# Altium PCB HexapodRobot_STC15W4K48S4.PcbDoc
Units mm, origin at the board's own origin, x right, y up, seen from the top; angles counter-clockwise.
Board outline 65.04 x 83.19 mm, 2 copper layers (Top Layer, Bottom Layer); 64 components, 84 nets, 312 pads, 98 vias.
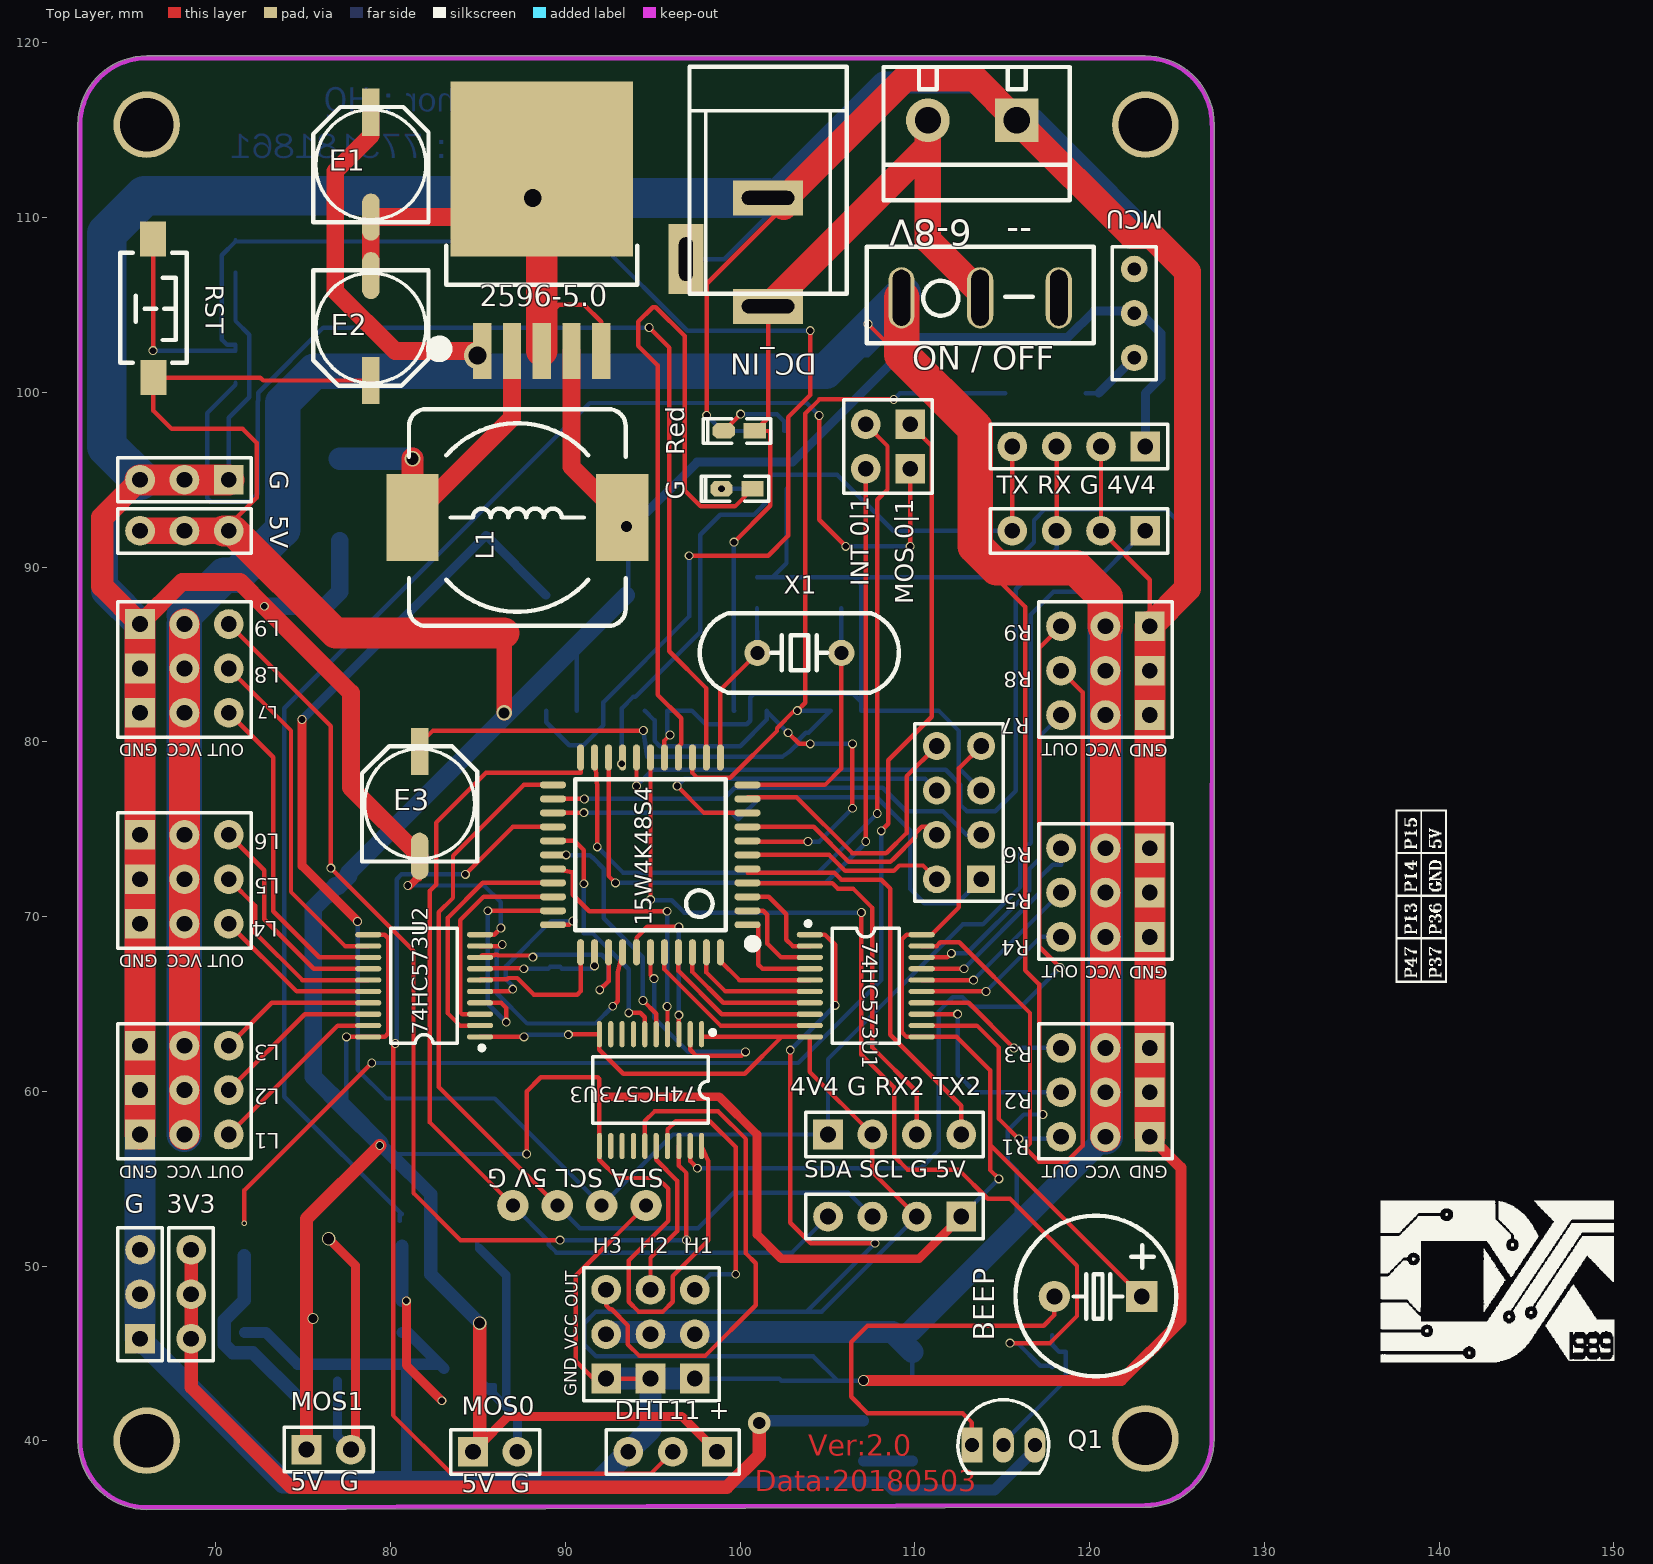
[diagram p0: Top Layer view]
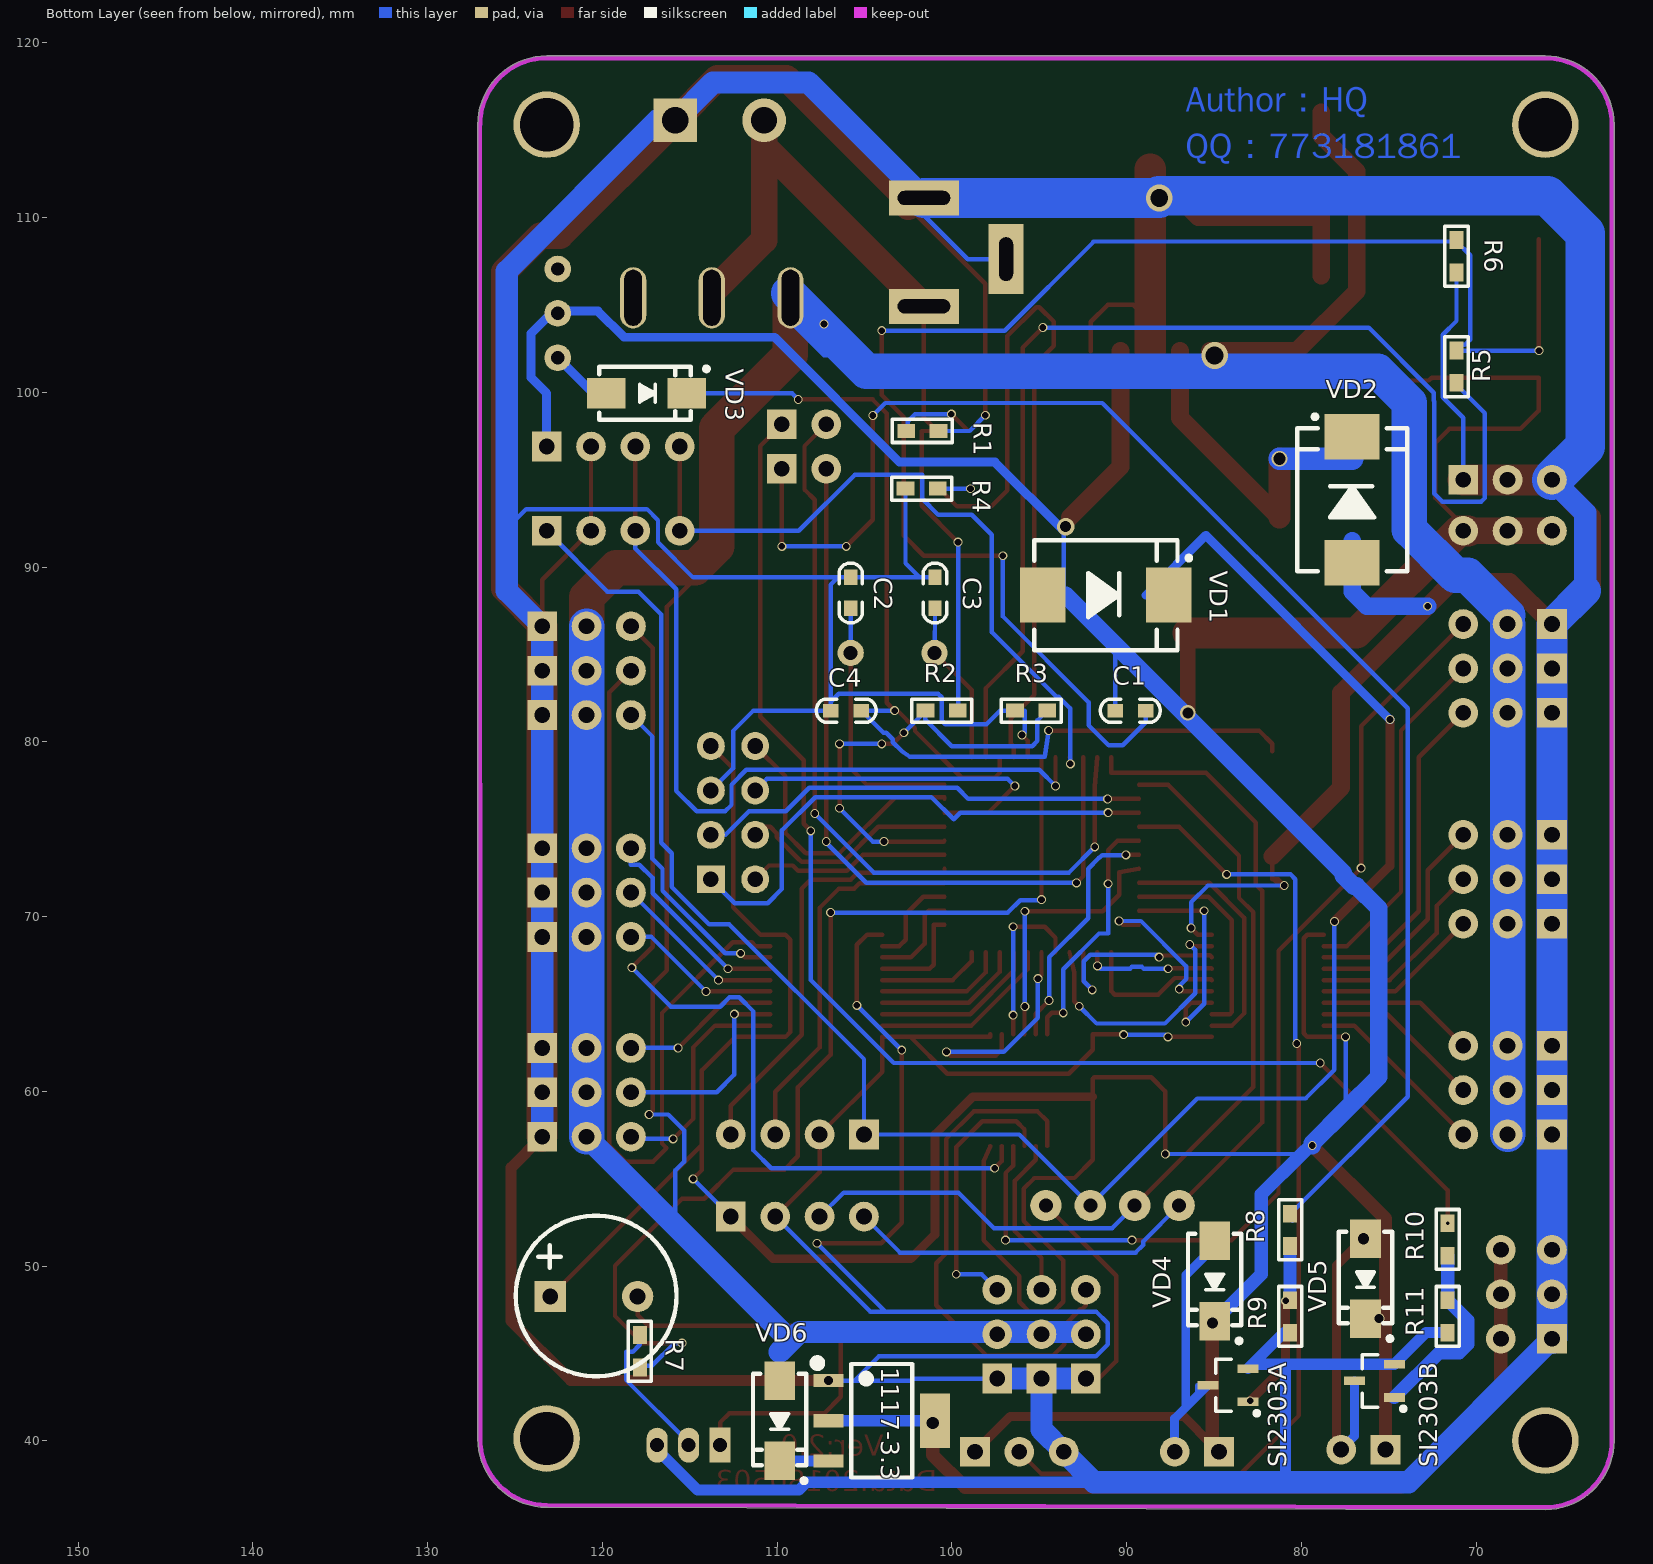
[diagram p1: Bottom Layer view, seen from below]

## Layer stack, top to bottom
Top Solder: solder mask 0.0102, Solder Resist, Dk 3.5
Top Layer: signal copper 0.0356
Dielectric 1: dielectric 0.32, FR-4, Dk 4.8
Bottom Layer: signal copper 0.0356
Bottom Solder: solder mask 0.0102, Solder Resist, Dk 3.5

## Board outline
62.103,40.005 ccw(c66.04,40.005) 66.04,36.068 ccw(c66.04,36.195) 66.04,36.068 123.162,36.198 ccw(c123.19,36.322) 123.19,36.195 ccw(c123.19,40.132) 127.127,40.132 127.143,115.189 ccw(c127.016,115.189) 127.143,115.189 ccw(c127.016,115.189) 127.117,115.266 ccw(c127,115.316) 127.127,115.316 ccw(c123.19,115.316) 123.19,119.253 66.04,119.253 ccw(c66.04,115.316) 62.103,115.316

## Design rules (kind name [scope] priority, off if disabled: settings)
Clearance [All] p1: gap=0.254 ignorepadtopadclearanceinfootprint=FALSE except(0: Arc-Hole Track-Hole SMDPad-Hole THPad-Hole Via-Hole Fill-Hole Poly-Hole Region-Hole Text-Hole)
HoleSize [All] p1: absolutevalues=TRUE maxlimit=3.81 minlimit=0.025 maxpercent=80.000 minpercent=20.000
HoleToHoleClearance [All] p1: gap=0.025 allowstackedmicrovias=TRUE
MinimumSolderMaskSliver [All] p1: minsoldermaskwidth=0.025
NetAntennae [All] p1: netantennaetolerance=0.051
PolygonConnect [All] p1: connectstyle=Relief reliefconductorwidth=0.254 reliefentries=4 polygonreliefangle="90 Angle" airgapwidth=0.254
RoutingVias [All] p1: holewidth=0.381 width=0.508 viastyle="Through Hole" minholewidth=0.711 minwidth=1.27 maxholewidth=0.711 maxwidth=1.27
SilkToSilkClearance [All] p1: silktosilkclearance=0
SilkToSolderMaskClearance [IsPad] p1: minsilkscreentomaskgap=0 clearancetoexposedcopper=TRUE
SolderMaskExpansion [All] p1: expansion=0.102
Width [All] p1: maxlimit=3.048 minlimit=0.152 preferedwidth=0.254
24 further rules are at their usual default settings.

## Components (designator, comment, footprint, x,y, rotation, side; value= is the part's Value field where it differs from the comment)
3V3 "HDR-1X3" HDR-1X3R 68.58,48.387 r90 top
"4V4 G RX2 TX2" "串口2" HDR-1X4_M 105.029,57.531 r0 top (schematic designator "TX2 RX2 G 4V4")
5V "HDR-1X3" HDR-1X3R 68.199,92.075 r180 top
15W4K48S4 "STC15W4K48S4" "LQFP44 10X10_L" 94.869,73.533 r90 top
74HC573U1 "74HC573" TSSOP20_N 107.188,66.04 r0 top
74HC573U2 "74HC573" TSSOP20_N 81.915,66.04 r180 top
74HC573U3 "74HC573" TSSOP20_N 94.869,60.071 r270 top
1117-3.3 "AMS1117-3V3" SOT223_L 104.013,41.148 r270 bottom
2596-5.0 "LM2596-5.0V" TO263-5A 88.646,102.362 r0 top
*4 "Bluetooth" HDR-1X4_M 123.19,92.075 r180 top
*7 "R1" heard3X3 133.985,50.8 r180 top
*8 "R2" heard3X3 133.985,62.23 r180 top
*9 "R3" heard3X3 133.985,74.93 r180 top
*10 "Head" heard3X3 85.725,33.02 r90 top
*11 "L1" HEARD3X3- 68.199,59.944 r180 top
*12 "L2" HEARD3X3- 68.199,72.009 r180 top
*13 "L3" HEARD3X3- 68.199,84.074 r180 top
"--   6-8V" "Kf301_2P" KF301-2P 115.824,115.57 r180 top
BEEP "BEEP" "BEEP 5x9x5.5" 120.483,48.26 r90 top
C1 "10uF" "C 0603" 89.789,81.788 r0 bottom
C2 "22pF" "C 0603" 105.791,88.519 r270 bottom
C3 "22pF" "C 0603" 100.965,88.519 r270 bottom
C4 "103" "C 0603" 106.045,81.788 r180 bottom
DC_IN "5.5*2.1" DC-005 101.6,111.125 r90 top
"DHT11 +" "DHT11" HDR-1X3_M 98.679,39.37 r180 top
E1 "220uF/10V" "CT 6*6 - C" 78.867,113.03 r90 top
E2 "220uF/10V" "CT 6*6 - C" 78.867,103.68 r270 top
E3 "220uF/10V" "CT 6*6 - C" 81.661,76.454 r90 top
G "HDR-1X3" HDR-1X3 70.739,94.996 r180 top
G "绿色" "LED 0603G" 99.822,94.488 r180 top
G "HDR-1X3" HDR-1X3 65.659,45.847 r90 top (schematic designator GND)
JP2 "Header2X2" HDR-2X2 107.188,95.631 r90 top
JP3 "Header 4X2" HDR-4X2 113.792,72.136 r90 top
L1 "33uH" CDRH127 87.249,92.837 r0 top
MCU "SW-SPDT" KEY_HDR3 121.285,100.711 r90 top
MOS0 "HDR-1X2" HDR-1X2 84.709,39.37 r0 top (schematic designator MOS1)
MOS1 "HDR-1X2" HDR-1X2 75.184,39.497 r0 top (schematic designator MOS2)
"ON / OFF" "SW-SPDT" 纽子开关 107.237,109.41 r0 top
Q1 "SS8550" TO92A 115.062,39.751 r270 top
R1 "2K" "R 0603" 101.689,97.79 r180 bottom
R2 "10K" "R 0603" 100.584,81.788 r0 bottom
R3 "3K" "R 0603" 95.466,81.788 r0 bottom
R4 "1K" "R 0603" 101.727,94.488 r0 bottom
R5 "300R" "R 0603" 71.12,101.473 r90 bottom
R6 "10K" "R 0603" 71.12,107.785 r90 bottom
R7 "1K" "R 0603" 117.856,45.123 r90 bottom
R8 "100R" "R 0603" 80.645,52.07 r270 bottom
R9 "10K" "R 0603" 80.645,47.117 r270 bottom
R10 "100R" "R 0603" 71.628,51.524 r270 bottom
R11 "10K" "R 0603" 71.628,47.117 r270 bottom
Red "红色" "LED 0603R" 99.949,97.797 r180 top
RST "3x6x5" "TSW SMD-3*6*2.5" 66.421,104.775 r270 top (schematic designator RST1)
"SDA SCL 5V G" "OLED 0.96-12864_4pin" "OLED 0.96-12864_4PIN" 90.932,67.677 r180 top
"SDA SCL G 5V" "GY-302" HDR-1X4 112.649,52.832 r180 top
SI2303A "SI2302" SOT23-3N 84.201,43.18 r90 bottom
SI2303B "SI2302" SOT23-3N 75.819,43.434 r90 bottom
"TX RX G 4V4" "串口" HDR-1X4_M 123.19,96.901 r180 top (schematic designator *5)
VD1 "SS34" SMC 91.186,88.392 r180 bottom
VD2 "SS34" SMC 77.089,93.853 r90 bottom
VD3 "M7" SMA 117.475,99.949 r180 bottom
VD4 "M7" SMA 84.963,49.149 r270 bottom
VD5 "M7" SMA 76.327,49.276 r270 bottom
VD6 "M7" SMA 109.855,41.148 r270 bottom
X1 "22.1184MHz" "XTAL-49S DIP" 103.391,85.09 r0 top

## Footprints (in the part's own frame and the unit in brackets; to place one, negate y for a bottom-side part, rotate by r counter-clockwise, add the part's x,y. Pads: shape width x height; smd on the part's side, far side on the other; paste and mask are expansions set on the pad)
"BEEP 5x9x5.5" [mm] "5*9*5.5mm(脚距,直径,高度)"
  rect 1.8x1.8 hole 0.9: 1(0,-2.5)
  round 1.8 hole 0.9: 2(0,2.5)
  silkscreen extent -4.57,-4.47 4.62,4.73, body extent -4.5,-4.5 4.5,4.5, height 5.45
"C 0603" [mil] "无极性贴片电容"
  rect 35x30 smd: 1(-35,0) 2(34,0)
  silkscreen extent -67,-26 67,26, body extent -31,-16 31,16, height 32
CDRH127 [mm] "12*12*8mm（长宽高）"
  rect 3x5 smd: 1(-6,0) 2(6,0)
  silkscreen extent -6.2,-6.2 6.2,6.2, body extent -6,-6 6,6, height 7.8
"CT 6*6 - C" [mm] "直径6mm，高6mm"
  rect 2.7x1 smd: 1(3,0)
  oval 2.7x1 smd: 2(-3,0)
  silkscreen extent -3.3,-3.3 3.3,3.3, body extent -3.5,-3.15 3.5,3.15, height 6
DC-005 [mm] "5.5*2.1mm，DC30V,2.5A"
  rect 2x4 hole 0.8 slot 3 at 90 deg: 1(-6.2,0) 2(0,0)
  rect 4x2 hole 0.8 slot 2.5 at 0 deg: 3(-3.5,4.7)
  silkscreen extent -5.48,-4.5 7.5,4.5, body extent -6.55,-4.5 7.5,4.8, height 11.2
HDR-1X2 [mm] "排针，2脚"
  rect 1.7x1.7 hole 0.9: 1(0,0)
  round 1.7 hole 0.9: 2(2.54,0)
  silkscreen extent -1.27,-1.27 3.81,1.27, body extent -1.27,-1.27 3.81,1.27, height 8.5
HDR-1X3 [mm] "排针，3脚"
  rect 1.7x1.7 hole 0.9: 1(0,0)
  round 1.7 hole 0.9: 2(2.54,0) 3(5.08,0)
  silkscreen extent -1.27,-1.27 6.35,1.27, body extent -1.27,-1.27 6.35,1.27, height 8.5
HDR-1X3_M [mm] "排母，3脚"
  rect 1.7x1.7 hole 0.9: 1(0,0)
  round 1.7 hole 0.9: 2(2.54,0) 3(5.08,0)
  silkscreen extent -1.27,-1.27 6.35,1.27, body extent -1.27,-1.27 6.35,1.27, height 8.5
HDR-1X3R [mm]
  round 1.7 hole 0.9: 1(-2.54,0) 2(0,0) 3(2.54,0)
  silkscreen extent -3.81,-1.27 3.81,1.27, body extent -3.81,-1.27 3.81,1.27, height 8.5
HDR-1X4 [mm] "排针，4脚"
  rect 1.7x1.7 hole 0.9: 1(0,0)
  round 1.7 hole 0.9: 2(2.54,0) 3(5.08,0) 4(7.62,0)
  silkscreen extent -1.27,-1.27 8.89,1.27, body extent -1.27,-1.27 8.89,1.27, height 8.5
HDR-1X4_M [mm] "排母，4脚"
  rect 1.7x1.7 hole 0.9: 1(0,0)
  round 1.7 hole 0.9: 2(2.54,0) 3(5.08,0) 4(7.62,0)
  silkscreen extent -1.27,-1.27 8.89,1.27, body extent -1.27,-1.27 8.89,1.27, height 8.5
HDR-2X2 [mm] "双排排针，2x2脚"
  round 1.7 hole 0.9: 1(0,0) 2(2.54,0)
  rect 1.7x1.7 hole 0.9: 3(0,-2.54) 4(2.54,-2.54)
  silkscreen extent -1.4,-3.81 3.94,1.27, body extent -1.27,-3.81 3.81,1.27, height 8.5
HDR-4X2 [mm] "双排排针，4x2脚"
  rect 1.6x1.6 hole 0.9: 1(0,0)
  round 1.6 hole 0.9: 2(0,2.54) 3(2.54,0) 4(2.54,2.54) 5(5.08,0) 6(5.08,2.54) 7(7.62,0) 8(7.62,2.54)
  silkscreen extent -1.27,-1.27 8.89,3.81, body extent -1.27,-1.27 8.89,3.81, height 8.5
heard3X3 [mm]
  rect 1.7x1.7 hole 0.9: 1(10.541,-6.604) 2(10.541,-9.144) 3(10.541,-11.684)
  round 1.7 hole 0.9: 4(13.081,-6.604) 5(13.081,-9.144) 6(13.081,-11.684) 7(15.621,-6.604) 8(15.621,-9.144) 9(15.621,-11.684)
  silkscreen extent 9.27,-13.08 16.89,-5.33, body extent 9.27,-12.95 16.89,-5.33, height 8.5
HEARD3X3- [mm]
  rect 1.7x1.7 hole 0.9: 1(2.54,-2.667) 2(2.54,-0.127) 3(2.54,2.413)
  round 1.7 hole 0.9: 4(0,-2.667) 5(0,-0.127) 6(0,2.413) 7(-2.54,-2.667) 8(-2.54,-0.127) 9(-2.54,2.413)
  silkscreen extent -3.81,-3.94 3.81,3.81, body extent -3.81,-3.94 3.81,3.68, height 8.5
KEY_HDR3 [mil]
  round 60 hole 30: 1(50,-50) 2(150,-50) 3(250,-50)
  silkscreen extent 0,-100 300,0
KF301-2P [mm] "可拼接端子/6A"
  rect 2.5x2.5 hole 1.5: 1(0,0)
  round 2.5 hole 1.5: 2(5.08,0)
  silkscreen extent -3.05,-3.05 7.62,4.57, body extent -2.87,-3 7.63,4.6, height 10.05
"LED 0603G" [mil] "绿色0603LED"
  rect 50x35 smd: 1(-35,0.26)
  oct 50x35 smd: 2(35,0.26)
  silkscreen extent -71,-28 81,28, body extent -31,-16 32,16, height 24
"LED 0603R" [mil] "红色0603LED"
  rect 50x35 smd: 1(-35,0.26)
  oct 50x35 smd: 2(35,0.26)
  silkscreen extent -71,-28 81,28, body extent -31,-16 32,16, height 24
"LQFP44 10X10_L" [mm] "44脚，体宽10x10mm，脚距0.8mm"
  oval 0.4x1.5 smd: 1(-4,-5.551) 2(-3.2,-5.551) 3(-2.4,-5.551) 4(-1.6,-5.551) 5(-0.8,-5.551) 6(0,-5.551) 7(0.8,-5.551) 8(1.6,-5.551) 9(2.4,-5.551) 10(3.2,-5.551) 11(4,-5.551) 23(4,5.578) 24(3.2,5.578) 25(2.4,5.578) 26(1.6,5.578) 27(0.8,5.578) 28(0,5.578) 29(-0.8,5.578) 30(-1.6,5.578) 31(-2.4,5.578) 32(-3.2,5.578) 33(-4,5.578)
  oval 1.5x0.4 smd: 12(5.575,-4) 13(5.575,-3.2) 14(5.575,-2.4) 15(5.575,-1.6) 16(5.575,-0.8) 17(5.575,0) 18(5.575,0.8) 19(5.575,1.6) 20(5.575,2.4) 21(5.575,3.2) 22(5.575,4) 34(-5.575,4) 35(-5.575,3.2) 36(-5.575,2.4) 37(-5.575,1.6) 38(-5.575,0.8) 39(-5.575,0) 40(-5.575,-0.8) 41(-5.575,-1.6) 42(-5.575,-2.4) 43(-5.575,-3.2) 44(-5.575,-4)
  silkscreen extent -5.33,-6.09 4.32,4.32, body extent -6,-6 6,6, height 1.45
"OLED 0.96-12864_4PIN" [mm]
  round 1.8 hole 0.8: 1(-3.683,14.21) 2(-1.143,14.21) 3(1.397,14.21) 4(3.937,14.21)
"R 0603" [mil] "1/10W贴片电阻"
  rect 40x31.5 smd: 1(-36.5,0) 2(36.5,0)
  silkscreen extent -68,-26 68,26, body extent -31,-16 31,16, height 16
SMA [mm] "4.5x2.6*2.2mm（长宽高，不包括引脚）"
  rect 2.2x1.75 smd: 1(-2.3,0) 2(2.3,0)
  silkscreen extent -2.7,-1.52 3.56,1.52, body extent -2.52,-1.3 2.57,1.3, height 2.15
SMC [mm] "7.1x5.9*2.3mm（长宽高，不包括引脚）"
  rect 2.6x3.15 smd: 1(-3.6,0) 2(3.6,0)
  silkscreen extent -4.1,-3.15 4.87,3.15, body extent -3.95,-2.9 3.95,2.9, height 2.45
SOT23-3N [mm] "3x1.3x1mm(长宽高)"
  rect 0.5x1.2 smd: 1(-0.95,-1.143) 2(0.95,-1.143) 3(0,1.143)
  silkscreen extent -1.72,-1.78 1.5,0.7, body extent -1.5,-1.2 1.5,1.2, height 1.05
SOT223_L [mm] "6.4x7x1.6mm(长宽高)"
  rect 0.75x1.7 smd: 1(-2.3,-3.048) 2(0,-3.048) 3(2.3,-3.048)
  rect 3.1x1.7 smd: 2(0,3.048)
  silkscreen extent -3.5,-3.88 3.25,1.75, body extent -3.25,-3.51 3.25,3.51, height 1.65
TO92A [mm] "92晶体管"
  rect 2x1.2 hole 0.8: 1(0,-1.8)
  oval 2x1.2 hole 0.8: 2(0,0) 3(0,1.8)
  silkscreen extent -2.6,-2.6 1.6,2.6, body extent -2.3,-2.3 1.3,2.3, height 7.6
TO263-5A [mm] "263，5脚晶体管"
  rect 1.05x3.2 smd: 1(-3.4,0) 2(-1.7,0) 3(0,0) 4(1.7,0) 5(3.4,0)
  rect 10.45x10 smd: 3(0,10.414)
  silkscreen extent -6.24,-0.25 5.46,6.04, body extent -5,-0.01 5,13.32, height 4.5
TSSOP20_N [mm] "6.5*6.4*1（长宽高）"
  oval 1.5x0.3 smd: 1(-3.2,2.925) 2(-3.2,2.275) 3(-3.2,1.625) 4(-3.2,0.975) 5(-3.2,0.325) 6(-3.2,-0.325) 7(-3.2,-0.975) 8(-3.2,-1.625) 9(-3.2,-2.275) 10(-3.2,-2.925) 11(3.2,-2.925) 12(3.2,-2.275) 13(3.2,-1.625) 14(3.2,-0.975) 15(3.2,-0.325) 16(3.2,0.325) 17(3.2,0.975) 18(3.2,1.625) 19(3.2,2.275) 20(3.2,2.925)
  silkscreen extent -3.43,-3.3 1.91,3.69, body extent -3.2,-3.25 3.2,3.25, height 1.03
"TSW SMD-3*6*2.5" [mm] "3*6*2.5mm"
  rect 2x1.5 smd: 1(-3.996,-0.02) 2(3.937,0)
  silkscreen extent -3.21,-1.9 3.09,1.9, body extent -4,-1.88 4,1.62, height 2.59
"XTAL-49S DIP" [mm]
  round 1.5 hole 0.8: 1(-2.4,0) 2(2.4,0)
  silkscreen extent -5.7,-2.28 5.7,2.28, body extent -5.68,-2.35 5.68,2.3, height 3.5
纽子开关 [mm]
  oval 1.5x3.5 hole 1 slot 3.2 at 90 deg: 1(2,-4) 2(6.5,-4) 3(11,-4)
  silkscreen extent 0,-6.6 13,-1.07

## Part data
3V3 5V G G: library part "Header 3", "3P接插件", BOM名称=3P接插件, 学习资源=www.ooocke.com, 版权归属=源创客
"4V4 G RX2 TX2" *4 "TX RX G 4V4": library part Header4booth, "蓝牙/串口"
15W4K48S4: library part STC15F2K60S2-44pin, "STC单片机", BOM名称=STC单片机, 学习资源=www.ooocke.com, 版权归属=源创客
74HC573U1 74HC573U2 74HC573U3: "D类三态输出锁存器", BOM名称=三态输出锁存器, 学习资源=www.ooocke.com, 版权归属=源创客
1117-3.3: library part AMS1117, "三端稳压芯片", BOM名称=稳压芯片, 学习资源=www.ooocke.com, 版权归属=源创客
2596-5.0: library part LM2596, "DC降压芯片", BOM名称=DC稳压芯片, 学习资源=www.ooocke.com, 版权归属=源创客
*7 *8 *9 *10 *11 *12 *13: library part hader_3*3
"--   6-8V": library part HEAD2, "KF301"
BEEP: "蜂鸣器", BOM名称=蜂鸣器, 学习资源=www.ooocke.com, 版权归属=源创客
C1 C2 C3 C4: library part C, "无极性贴片电容", BOM名称=无极性贴片电容, 学习资源=www.ooocke.com, 版权归属=源创客
DC_IN: library part P-DC, "低压电源接口", BOM名称=DC电源接口, 学习资源=www.ooocke.com, 版权归属=源创客
E1 E2 E3: library part C-CT, "贴片固态电容", BOM名称=贴片固态电容, 学习资源=www.ooocke.com, 版权归属=源创客
G Red: library part LED-SMD, "贴片LED", BOM名称=贴片LED, 学习资源=www.ooocke.com, 版权归属=源创客
JP2: library part "Header 2X2", "2*2P接插件", BOM名称=2*2P接插件, 学习资源=www.ooocke.com, 版权归属=源创客
JP3: "4*2P接插件", BOM名称=4*2P接插件, 学习资源=www.ooocke.com, 版权归属=源创客
L1: library part L-CDRH, "功率屏蔽电感", BOM名称=功率屏蔽电感, 学习资源=www.ooocke.com, 版权归属=源创客
MCU "ON / OFF": "开关", ComponentLink1Description="Manufacturer Link", ComponentLink1URL=http://www.apem.com, DatasheetDocument=05-Dec-2000, LatestRevisionDate=17-Dec-2003, LatestRevisionNote="Schematic revised, PCB Footprint replaced.", PackageReference=TL36WW15050, Published=24-Mar-1999, Publisher="Altium Limited"
MOS0 MOS1: library part "Header 2", "2P接插件", BOM名称=2P接插件, 学习资源=www.ooocke.com, 版权归属=源创客
Q1: library part 8550-DIP, "高频放大-PNP型", BOM名称=高频放大-PNP型, 学习资源=www.ooocke.com, 属性="40V 1.5A 1W 100MHZ", 版权归属=源创客
R1 R2 R3 R4 R5 R6 R7 R8 R9 R10 R11: library part R, "贴片电阻", BOM名称=贴片电阻, 学习资源=www.ooocke.com, 版权归属=源创客
RST: library part "TSW 3x6", "3x6轻触开关", BOM名称=3x6轻触开关, 学习资源=www.ooocke.com, 版权归属=源创客
"SDA SCL 5V G": "12864 点阵屏"
SI2303A SI2303B: "N沟道场效应管", BOM名称=N沟道场效应管, 学习资源=www.ooocke.com, 版权归属=源创客
VD1 VD2: "肖特基二极管", BOM名称=肖特基二极管, 学习资源=www.ooocke.com, 属性=40V/3A, 版权归属=源创客
VD3 VD4 VD5 VD6: "整流二极管", BOM名称=整流二极管, 学习资源=www.ooocke.com, 版权归属=源创客
X1: library part XTAL-2, "2脚晶振", BOM名称=2脚晶振, 学习资源=www.ooocke.com, 版权归属=源创客

## Free pads (board coordinates)
  round 3.81 hole 3.048: 1(66.04,115.316) 2(123.19,115.316) 3(123.19,40.132) 4(66.04,40.005)

## Via types
v1: diameter 0.508, hole 0.381, Top Layer to Bottom Layer, 87 vias
v2: diameter 0.762, hole 0.635, Top Layer to Bottom Layer, 2 vias
v3: diameter 1.524, hole 1.016, Top Layer to Bottom Layer, 2 vias
v4: diameter 0.635, hole 0.508, Top Layer to Bottom Layer, 2 vias
v5: diameter 0.889, hole 0.635, Top Layer to Bottom Layer, 1 vias
v6: diameter 0.889, hole 0.711, Top Layer to Bottom Layer, 1 vias
v7: diameter 1.016, hole 0.635, Top Layer to Bottom Layer, 1 vias
v8: diameter 1.27, hole 0.711, Top Layer to Bottom Layer, 1 vias
v9: diameter 0.305, hole 0.203, Top Layer to Bottom Layer, 1 vias
